# KiCad board ControlsLeader_PCB.kicad_pcb (continued)
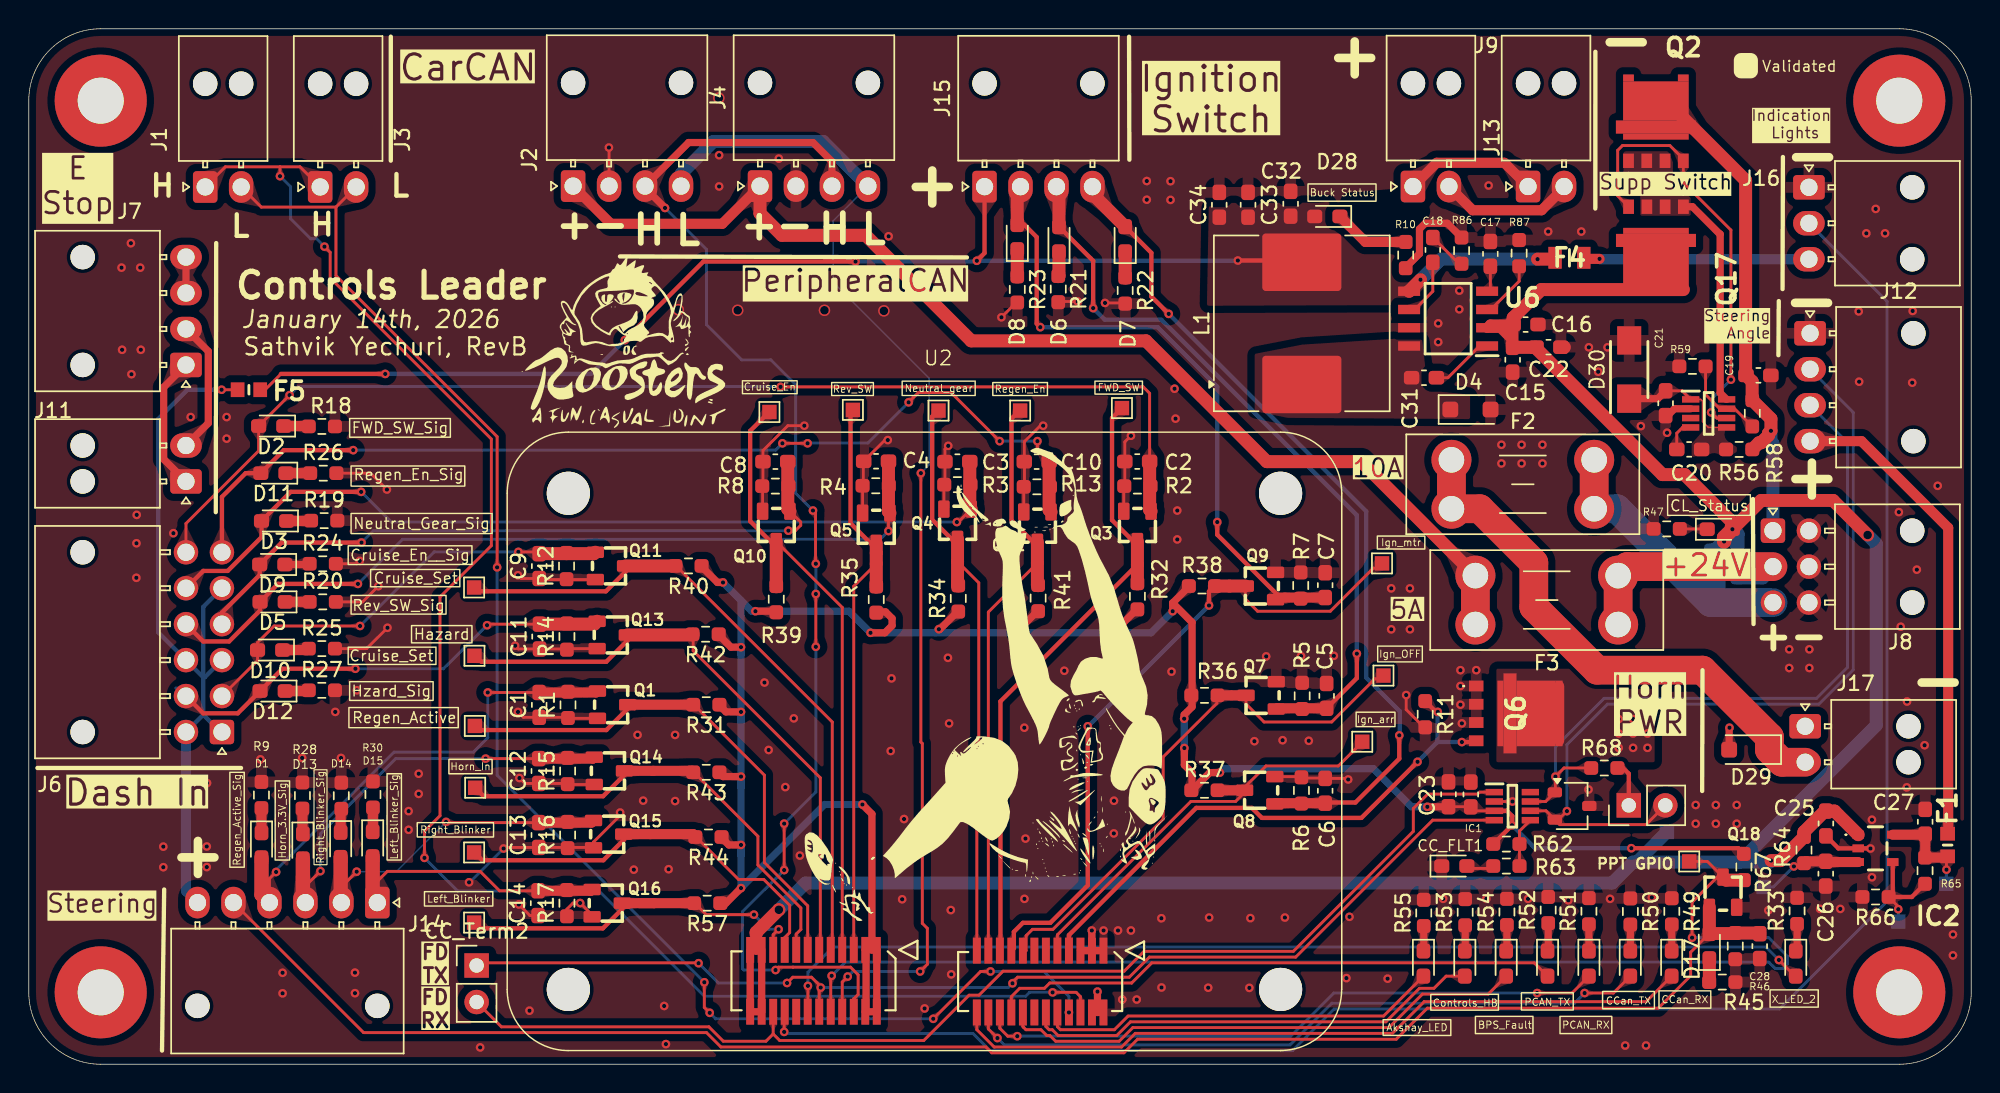
[diagram p0: board, top side]
## Routing (per net, layer and track width the routed paths; a pad name or vN(x,y) marks a point on that pad's centre or on a via; arc(x,y) is an arc through that point) (continued)
/Ign_mtr_GPIO: length 47.1
  Top w0.2: 93.72,34.49 TP7.1 ; 93.72,34.49 93.45,34.49 90.46,31.5 85.4,31.5 84.55,32.35 Q9.1 ; 93.72,34.49 94.03,34.8
  Top w0.3: U2.41 68.46,8.07 68.46,9.2 69.09,9.83 70.99,9.83 73.6,12.44 v1(73.6,23.5) ; 82.4,33.25 82.03,32.88 v1(82.03,31.9)
  Top w0.9: Q9.1 82.4,33.25
  Bottom w0.3: v1(73.6,23.5) 73.62,23.5 v1(82.03,31.9) 82.03,31.88
/Ign_mtr_Signal: length 45.1
  Top w0.3: v1(82.6,37.7) 82.6,36.82 86.97,32.45 87.3,32.45 ; v1(70.3,51.25) 70.05,51.5 70.05,57.51 69.18,58.39 D8.2
  Top w0.7: C7.2 86.8,32.45 Q9.2
  Top w0.9: D8.2 68.7,60.8 J15.2
  Bottom w0.3: v1(82.6,37.7) 82.6,47.11 78.46,51.25 v1(70.3,51.25)
/Ign_OFF_GPIO: length 38.8
  Top w0.2: 82.57,25.65 82.57,25.1 78.84,21.37 78.84,17.04 71.18,9.38 69.75,9.38 69.31,8.94 69.31,7.9 U2.39 ; Q7.1 84.6,25.05 85.85,23.8 90.56,23.8 93.55,26.79 93.92,26.79 TP5.1 ; 83.12,25.65 83.6,25.65
  Top w0.7: Q7.1 82.57,25.65
/Ign_off_Signal: length 51.6
  Top w0.3: D6.2 73.97,55.86 v1(73.97,52.58) ; C5.2 92.3,26.85 v1(92.3,28.55)
  Top w0.7: C5.2 86.75,24.75 Q7.2
  Top w0.9: J15.3 71.6,60.85 D6.2
  Bottom w0.3: v1(92.3,28.55) 92.3,38.18 78.71,51.78 74.78,51.78 v1(73.97,52.58)
/Indicator_PWM: length 132.3
  Top w0.2: U2.18 52.5,3.61 v1(52.5,2.25)
  Bottom w0.2: J16.2 129.15,53.04 129.15,11.32 121.67,3.84 90.72,3.84 87.83,0.95 66.81,0.95 65.63,2.13 52.62,2.13 v1(52.5,2.25)
/Left_Blinker_ON: length 25.7
  Top w0.2: v1(50.4,10.4) 47.09,10.4 46.29,11.2 ; U2.19 51.74,9.01 v1(52.11,9.39)
  Top w0.3: TP15.1 30.95,9.8 31.3,9.45 39.9,9.45 41.25,10.8 Q16.1
  Top w0.7: 42.45,11.2 43.45,11.2 ; 43.45,11.2 46.29,11.2 ; 43.45,11.2 Q16.1
  Bottom w0.2: v1(50.4,10.4) 51.41,9.39 v1(52.11,9.39)
/Left_Blinker_Signal: length 20.6
  Top w0.2: C14.2 32.72,12.06 31.37,13.41 24.92,13.41 24.22,12.72 J14.1
  Top w0.7: Q16.2 39.06,12.06 C14.2
  Top w1: J14.1 23.9,11.56 D15.2
/Neutral_Gear_GPIO: length 41.1
  Top w0.2: U2.47 65.89,22.44 66.03,22.58 66.03,33.47 64.55,34.95
  Top w0.3: Q4.1 64.15,36.5 62.79,37.86 62.79,45.04 63.2,45.45 TP3.1
  Top w0.9: Q4.1 64.55,33.3 64.6,33.25
/Neutral_Gear_Signal: length 62.8
  Top w0.2: v1(23.1,39.8) 23.08,39.83 22.9,39.83 ; Q4.2 64.6,37.7 v1(64.5,37.7)
  Top w0.3: J6.11 12.13,34.3 13.82,34.3 16.17,36.65 D3.2 18.2,39.8 v1(23.1,39.8)
  Top w0.9: Q4.2 65.4,38.7 C3.2
  Bottom w0.2: v1(23.1,39.8) 25.2,37.7 v1(64.5,37.7)
/PerCan_H: length 90.2
  Top w0.2: v1(54.5,38.5) 54.68,38.32 54.68,34.82 v1(54.7,34.8) ; v1(52.5,16.73) 52.5,15.36 v1(52.5,13.5) ; v1(54.7,32.7) v1(54.7,29.03) ; v1(51.9,6.55) 52.1,6.75 53.11,6.75 57.11,6.75 57.64,6.22 57.64,4.85 57.34,4.55 U2.6
  Top w0.5: v1(44.22,59.54) 42.83,60.93 J2.3 45.86,64.09 54.5,64.09 55.82,62.77 J4.3
  Bottom w0.2: v1(52.5,16.73) 54.7,18.93 v1(54.7,29.03) ; v1(52.5,13.5) 49.6,10.6 49.6,6.65 49.7,6.55 v1(51.9,6.55) ; v1(54.5,38.5) 53.3,39.7 53.3,47.25 51.57,48.97 49.55,48.97 47.1,51.42 47.1,56.66 v1(44.22,59.54) ; v1(54.7,34.8) v1(54.7,32.7)
/PerCan_L: length 82.8
  Top w0.2: U2.8 56.54,5.72 v1(56.91,6.1) ; v1(62,41.1) 62,22.4 62.1,22.3 62.1,9.8 62.45,9.45 62.45,6.95 v1(61.95,6.45)
  Bottom w0.1: J4.4 55.9,58.64 55.9,54.38 62.57,47.7 62.57,41.67 v1(62,41.1)
  Bottom w0.2: v1(56.91,6.1) 57.27,6.45 v1(61.95,6.45)
  Bottom w0.9: J2.4 45.33,61.9 47.59,64.16 55.22,64.16 J4.4
/PH_Can_RX_LED: length 44
  Top w0.2: v1(104.83,4.95) 107.25,4.95 D21.2 ; U2.44 67.49,2.5 68.04,1.95 v1(68.7,1.95)
  Bottom w0.2: v1(68.7,1.95) 87.7,1.95 90.7,4.95 v1(104.83,4.95)
/PH_Can_TX_LED: length 39.7
  Top w0.2: D22.2 104.63,7.05 78.05,7.05 76.65,5.65 76.65,5.65 70.96,5.65 70.59,5.28 68.87,5.28 68.29,4.7 U2.42
/PTT_GPIO_IN: length 87
  Top w0.2: U2.10 55.74,6.09 v1(55.8,6.15) ; TP14.1 116.66,14.1 Q18.1 117.35,13.01 115.6,11.26 v1(115.6,8.8)
  Top w0.9: R67.2 117.96,12.8 Q18.1
  Bottom w0.2: v1(55.8,6.15) 56.75,7.1 120.93,7.1 121.38,6.65 121.88,6.65 122.23,7 122.23,7.5 120.93,8.8 v1(115.6,8.8)
/PTT_Signal: length 116.7
  Top w0.2: D17.2 115.5,7.79 115.5,6.15 113.25,3.9 97.2,3.9 95.04,1.74 77.06,1.74 76.12,0.79 66.93,0.79 66.52,1.2 48.1,1.2 47.1,2.2 23.27,2.2 J14.5
  Top w0.9: C28.2 120.25,9.12 R45.2 118.56,9.09 D17.2 Q18.2
/Regen_Active_GPIO_IN: length 36.6
  Top w0.2: U2.13 54.14,11.01 51.12,14.03 51.12,20.1 46.22,25
  Top w0.3: TP1.1 31,23.5 31.26,23.24 40.14,23.24 41.62,24.72 Q1.1
  Top w0.7: Q1.1 46.22,25
/Regen_Active_Signal: length 35.1
  Top w0.2: J14.4 16.72,12.91 v1(17.19,13.37) ; v1(31.9,25.85) C1.2
  Top w0.3: 17.18,13.38 v1(17.19,13.37)
  Top w0.7: Q1.2 39.42,25.85 C1.2
  Top w1: J14.4 16.17,11.79 D1.2
  Bottom w0.2: v1(17.19,13.37) 17.19,13.51 25.38,21.7 30.9,21.7 31.9,22.7 v1(31.9,25.85)
/Regen_Enable_GPIO_IN: length 41.7
  Top w0.2: U2.45 66.69,31.44 70.1,34.85
  Top w0.3: Q12.1 69.82,36.3 68.3,37.82 68.3,44.9 68.85,45.45 TP10.1
  Top w0.9: 70.15,33.28 70.1,33.33 Q12.1
/Regen_Enable_Signal: length 70.2
  Top w0.2: v1(61.15,46.03) 61.82,46.7 64.1,46.7 v1(67.47,43.33) ; v1(54.13,43.17) v1(52.38,43.17) ; C10.2 70.1,42.71 v1(70.1,43.33)
  Top w0.3: v1(22.55,42.7) 17.72,42.7 D11.2 15.08,41.1 13.42,39.45 J6.6
  Top w0.9: C10.2 70.91,38.54 Q12.2
  Bottom w0.2: v1(22.55,42.7) 51.9,42.7 v1(52.38,43.17) ; v1(67.47,43.33) v1(70.1,43.33) ; v1(54.13,43.17) 54.16,43.2 58.32,43.2 v1(61.15,46.03)
/Rev_SW_GPIO: length 40.9
  Top w0.2: 58.9,34.8 57.34,33.24 U2.5
  Top w0.3: 58.9,36.22 58.5,36.22 57.11,37.61 57.11,45.36 57.25,45.5
  Top w0.9: 58.9,36.22 58.9,33.17
/Rev_SW_Signal: length 57.9
  Top w0.2: Q5.2 59.75,38.22 v1(59.75,37.08) ; 22.78,33.4 v1(22.88,33.4)
  Top w0.3: v1(22.88,33.4) 17.33,33.4 D5.2 16.08,31.55 13.92,29.4 12.13,29.4 J6.10
  Top w0.9: Q5.2 59.75,38.42 C4.2
  Bottom w0.2: v1(59.75,37.08) 59.17,36.5 25.97,36.5 v1(22.88,33.4)
/Right_Blinker_ON: length 28.5
  Top w0.2: U2.17 52.54,8.81 52.88,9.15 52.88,11.05 51.08,12.85 49.32,12.85 46.38,15.8
  Top w0.3: TP13.1 30.97,14.72 31.51,14.19 39.94,14.19 41.35,15.6 Q15.1 ; 46.38,15.8 46.4,15.8
  Top w0.7: 46.38,15.8 46.18,16 Q15.1
/Right_Blinker_Signal: length 23.8
  Top w0.2: C13.2 29.05,16.8 v1(29,16.85) ; v1(22.79,13.39) 21.72,12.33 J14.2
  Top w0.7: Q15.2 39.1,16.8 C13.2
  Top w1: J14.2 21.67,11.29 D14.2
  Bottom w0.1: v1(29,16.85) 25.54,13.39 v1(22.79,13.39)
  Bottom w0.2: v1(29,16.85) 29.05,16.85
/RPP/LV+: length 35.6
  Top w0.9: R56.1 120.25,43.21 120.4,43.21 120.91,43.73 120.91,43.88 v1(121.08,44.05) 121.08,44.88 R58.1 119.78,46.19 119.78,47.47 C19.2 119.32,47.93 119.32,61.46 113.8,66.98 Q2.7
  Bottom w0.9: v1(121.08,44.05) 121.08,43.31 121.22,43.17 J8.1
/RPP/RPP1_SRC: length 15
  Top w0.5: RPP1.8 117.55,46.68 117.55,57.72 117.53,57.72 115.62,59.63 Q17.1
/RPP/RPP_EN: length 8.9
  Top w0.1: RPP1.1 116.2,46.23 116.33,46.1 116.33,44.68 116.73,44.28 RPP1.5
  Top w0.2: C21.2 114.91,46.83 RPP1.1
  Top w0.5: C21.2 113.22,46.28 D30.1
/Steering Angle Sensor Components/Can Transciever/CARCAN_Fault: length 3.5
  Top w0.2: IC1.5 103.6,16.22 R63.1
/Steering Angle Sensor Components/SteeringCAN_H: length 49.9
  Top w0.2: U1.1 106.1,18.95 v1(106.1,20) 106.7,20.6 R68.2 ; U1.1 105.42,18.27 IC1.7 ; U1.1 106.15,19
  Bottom w0.2: J12.3 126.4,43.23 126.4,27.59 124.25,25.44 109.48,25.44 106.1,22.06 v1(106.1,20)
/Steering Angle Sensor Components/SteeringCAN_L: length 60.2
  Top w0.2: CC_Term1.2 112.4,16.66 106.41,16.66 U1.2 ; v1(106.9,17.6) 106.31,17.01 U1.2 ; U1.2 105.45,17.62 IC1.6
  Bottom w0.2: J12.2 126.8,45.33 126.8,27.42 124.42,25.04 109.72,25.04 106.9,22.22 v1(106.9,17.6)
Net-(C18-Pad2): length 2.6
  Top w0.2: 99.41,55.66 C18.2
Net-(CC_FLT1-A): length 1.7
  Top w0.2: 100.21,13.61 101.62,13.61 R63.2 ; 100.26,13.78 100.21,13.83
Net-(CC_Term1-A): length 3.2
  Top w0.3: R68.1 110.8,20.6 111.2,20.2 CC_Term1.1
Net-(D1-K): length 1.8
  Top w0.7: R9.1 16.17,16.11 D1.1 ; 16.12,17.81 16.17,17.86
Net-(D2-K): length 1.8
  Top w0.2: R18.1 19.5,44.3
  Top w0.7: R18.1 19.43,44.38 D2.1
Net-(D3-K): length 1.7
  Top w0.7: D3.1 19.59,37.78 R19.1
Net-(D5-K): length 1.7
  Top w0.7: D5.1 R20.1
Net-(D6-K): length 1.7
  Top w0.9: D6.1 71.6,54.81 71.55,54.76
Net-(D7-K): length 1.8
  Top w0.9: D7.1 76.2,54.66
Net-(D8-K): length 1.9
  Top w0.9: D8.1 68.7,54.74
Net-(D9-K): length 1.7
  Top w0.5: R24.1 19.47,34.75 D9.1
Net-(D10-K): length 1.8
  Top w0.7: R25.1 19.36,28.8 D10.1
Net-(D11-K): length 1.7
  Top w0.7: D11.1 R26.1
Net-(D12-K): length 1.7
  Top w0.7: D12.1 19.41,25.95 R27.1
Net-(D13-K): length 1.8
  Top w0.7: D13.1 19.02,16.06 R28.1
Net-(D14-K): length 1.6
  Top w0.7: R29.1 21.67,17.71 D14.1
Net-(D15-K): length 1.7
  Top w0.7: D15.1 23.92,16.19 R30.1
Net-(D16-K): length 2
  Top w0.2: D16.1 116.62,37.22 114.7,37.22
Net-(D17-K): length 1.6
  Top w0.9: R46.1 116.8,5.72 D17.1
Net-(D18-K): length 2
  Top w0.2: 122.81,9.71 122.9,9.8
  Top w0.5: D18.1 122.9,7.97 R33.1
Net-(D19-K): length 1.8
  Top w0.5: D19.1 114.19,7.89 R49.2
Net-(D20-K): length 1.8
  Top w0.5: D20.1 111.31,7.88 R50.2
Net-(D21-K): length 1.9
  Top w0.5: R51.1 D21.1
Net-(D22-K): length 2
  Top w0.5: D22.1 105.6,7.92 R52.1
Net-(D23-K): length 1.8
  Top w0.5: D23.1 99.83,7.9 R53.1
Net-(D24-K): length 1.8
  Top w0.5: D24.1 102.73,7.92 R54.1
Net-(D25-K): length 1.7
  Top w0.5: D25.1 96.95,7.89 R55.1
Net-(D28-K): length 5.3
  Top w0.7: D28.1 92.9,57.18 R10.1
Net-(IC2-ADJ): length 7.4
  Top w0.2: v1(129.93,10.78) 129.93,10.96 R66.1
  Top w0.3: R65.2 130.87,11.63 R66.1 129.54,11.91 IC2.4
  Bottom w0.2: Adj16V1.1 v1(129.93,10.78)
Net-(IC2-EN): length 7.3
  Top w0.2: R64.2 123.16,13.76 v1(122.67,13.76)
  Top w0.7: R64.2 123.51,14.11 C26.2 124.94,14.06 IC2.3
  Bottom w0.2: En16V1.1 121.25,12.33 v1(122.67,13.76)
Net-(J8-Pin_2): length 17.2
  Top w2: J8.2 111.09,34.6 F3.1 F3.1
  Bottom w1: R61.1 120.48,33.86 J8.2
Net-(J8-Pin_3): length 20.4
  Top w2: F2.2 F2.2
  Bottom w2: R60.1 116.93,32.38 117.2,32.1 ; 117.2,32.1 116.9,32.1 110.38,38.62 F2.2 ; 117.2,32.1 J8.3
Net-(RPP1-GATE): length 30.1
  Top w0.2: v1(118.3,47.6) 118.3,58 114.99,61.31 Q2.4 114.99,62.95 114.06,63.88 110.76,63.88 110.43,63.55 110.43,60.38 Q17.4 ; v1(116.93,45.32) 117.32,44.93 RPP1.6
  Bottom w0.2: v1(118.3,47.6) 116.93,46.23 v1(116.93,45.32)
Net-(RPP1-OV): length 6.1
  Top w0.2: R59.1 116.54,46.56 117.52,45.58 RPP1.7 118.56,45.58 R58.2
Net-(RPP1-VCAP): length 2.3
  Top w0.2: C20.1 114.53,43.88 114.94,44.28 RPP1.4
Net-(U6-BOOT): length 3.9
  Top w0.2: 100.82,49.93 98.63,47.74 C31.1
Net-(U6-COMP): length 3.8
  Top w0.2: 96.32,52.48 97.58,53.74 C18.1
Net-(U6-SS): length 1.5
  Top w0.2: C17.1 101.58,53.98

## Copper pours and planes (outline as drawn; the poured copper is in the pictures)
/5V_Buck on Top: 82.01,59.76 81.88,52.74 97.32,52.79 97.09,60.56 89.65,59.91 82.01,59.89
GND on Top, Bottom: 135,72 135,0 0,0 0,72
/24v_5v_Buck/LX on Top: 88.51,50.04 85.19,49.39 85.2,45.41 87.49,44.95 100.17,44.86 100.17,46.56 97.24,46.85 96.82,50.57
/Horn_24V_Signal_Out on Top: 102,27.5 102,21 113,21 113,27.5
/Horn_24V_Signal_Out on Bottom: 110,24.5 125,24.5 125,21 110,21
/RPP/RPP1_SRC on Top: 110.75,60.5 112,60.5 112,59 115.5,59 115.5,60.5 114.25,60.5 114.28,63.51 110.75,63.51
/RPP/RPP_EN on Top: 116.94,44.7 115.53,43.1 115.53,42.17 118.71,42.17 118.71,44.7

Small or netless copper shapes (teardrops, artwork), in the pictures only: 436 on Top, 132 on Bottom

## Text on the board
B.Silkscreen: Horns_24v_short | Lights_24v_short
F.Silkscreen: Buck Status | Right_Blinker | Left_Blinker | Horn_In | Cruise_En | Rev_SW | Neutral_gear | Regen_En | FWD_SW | Ign_arr | Ign_OFF | Ign_mtr | Akshay_LED | Controls_HB | BPS_Fault | PCAN_TX | PCAN_RX | CCan_TX | CCan_RX | X_LED_2 | Regen_Active_Sig | Horn_3.3V_Sig | Right_Blinker_Sig | Left_Blinker_Sig | Cruise_Set | Hzard_Sig | Rev_SW_Sig | FWD_SW_Sig | Regen_Active | Regen_En_Sig | Cruise_En__Sig | Neutral_Gear_Sig | Hazard | CL_Status | Indication / Lights | Validated | Steering / Angle | PPT GPIO | Supp Switch | FD / RX | FD / TX | Sathvik Yechuri, RevB | January 14th, 2026 | Steering | 10A | 5A | PeripheralCAN | +24V | E / Stop | Horn / PWR | H | L | Dash In | CarCAN | Ignition / Switch | Controls Leader | + | -
